# Altium PCB MiniPC.PcbDoc (part 21 of 22) (continued)
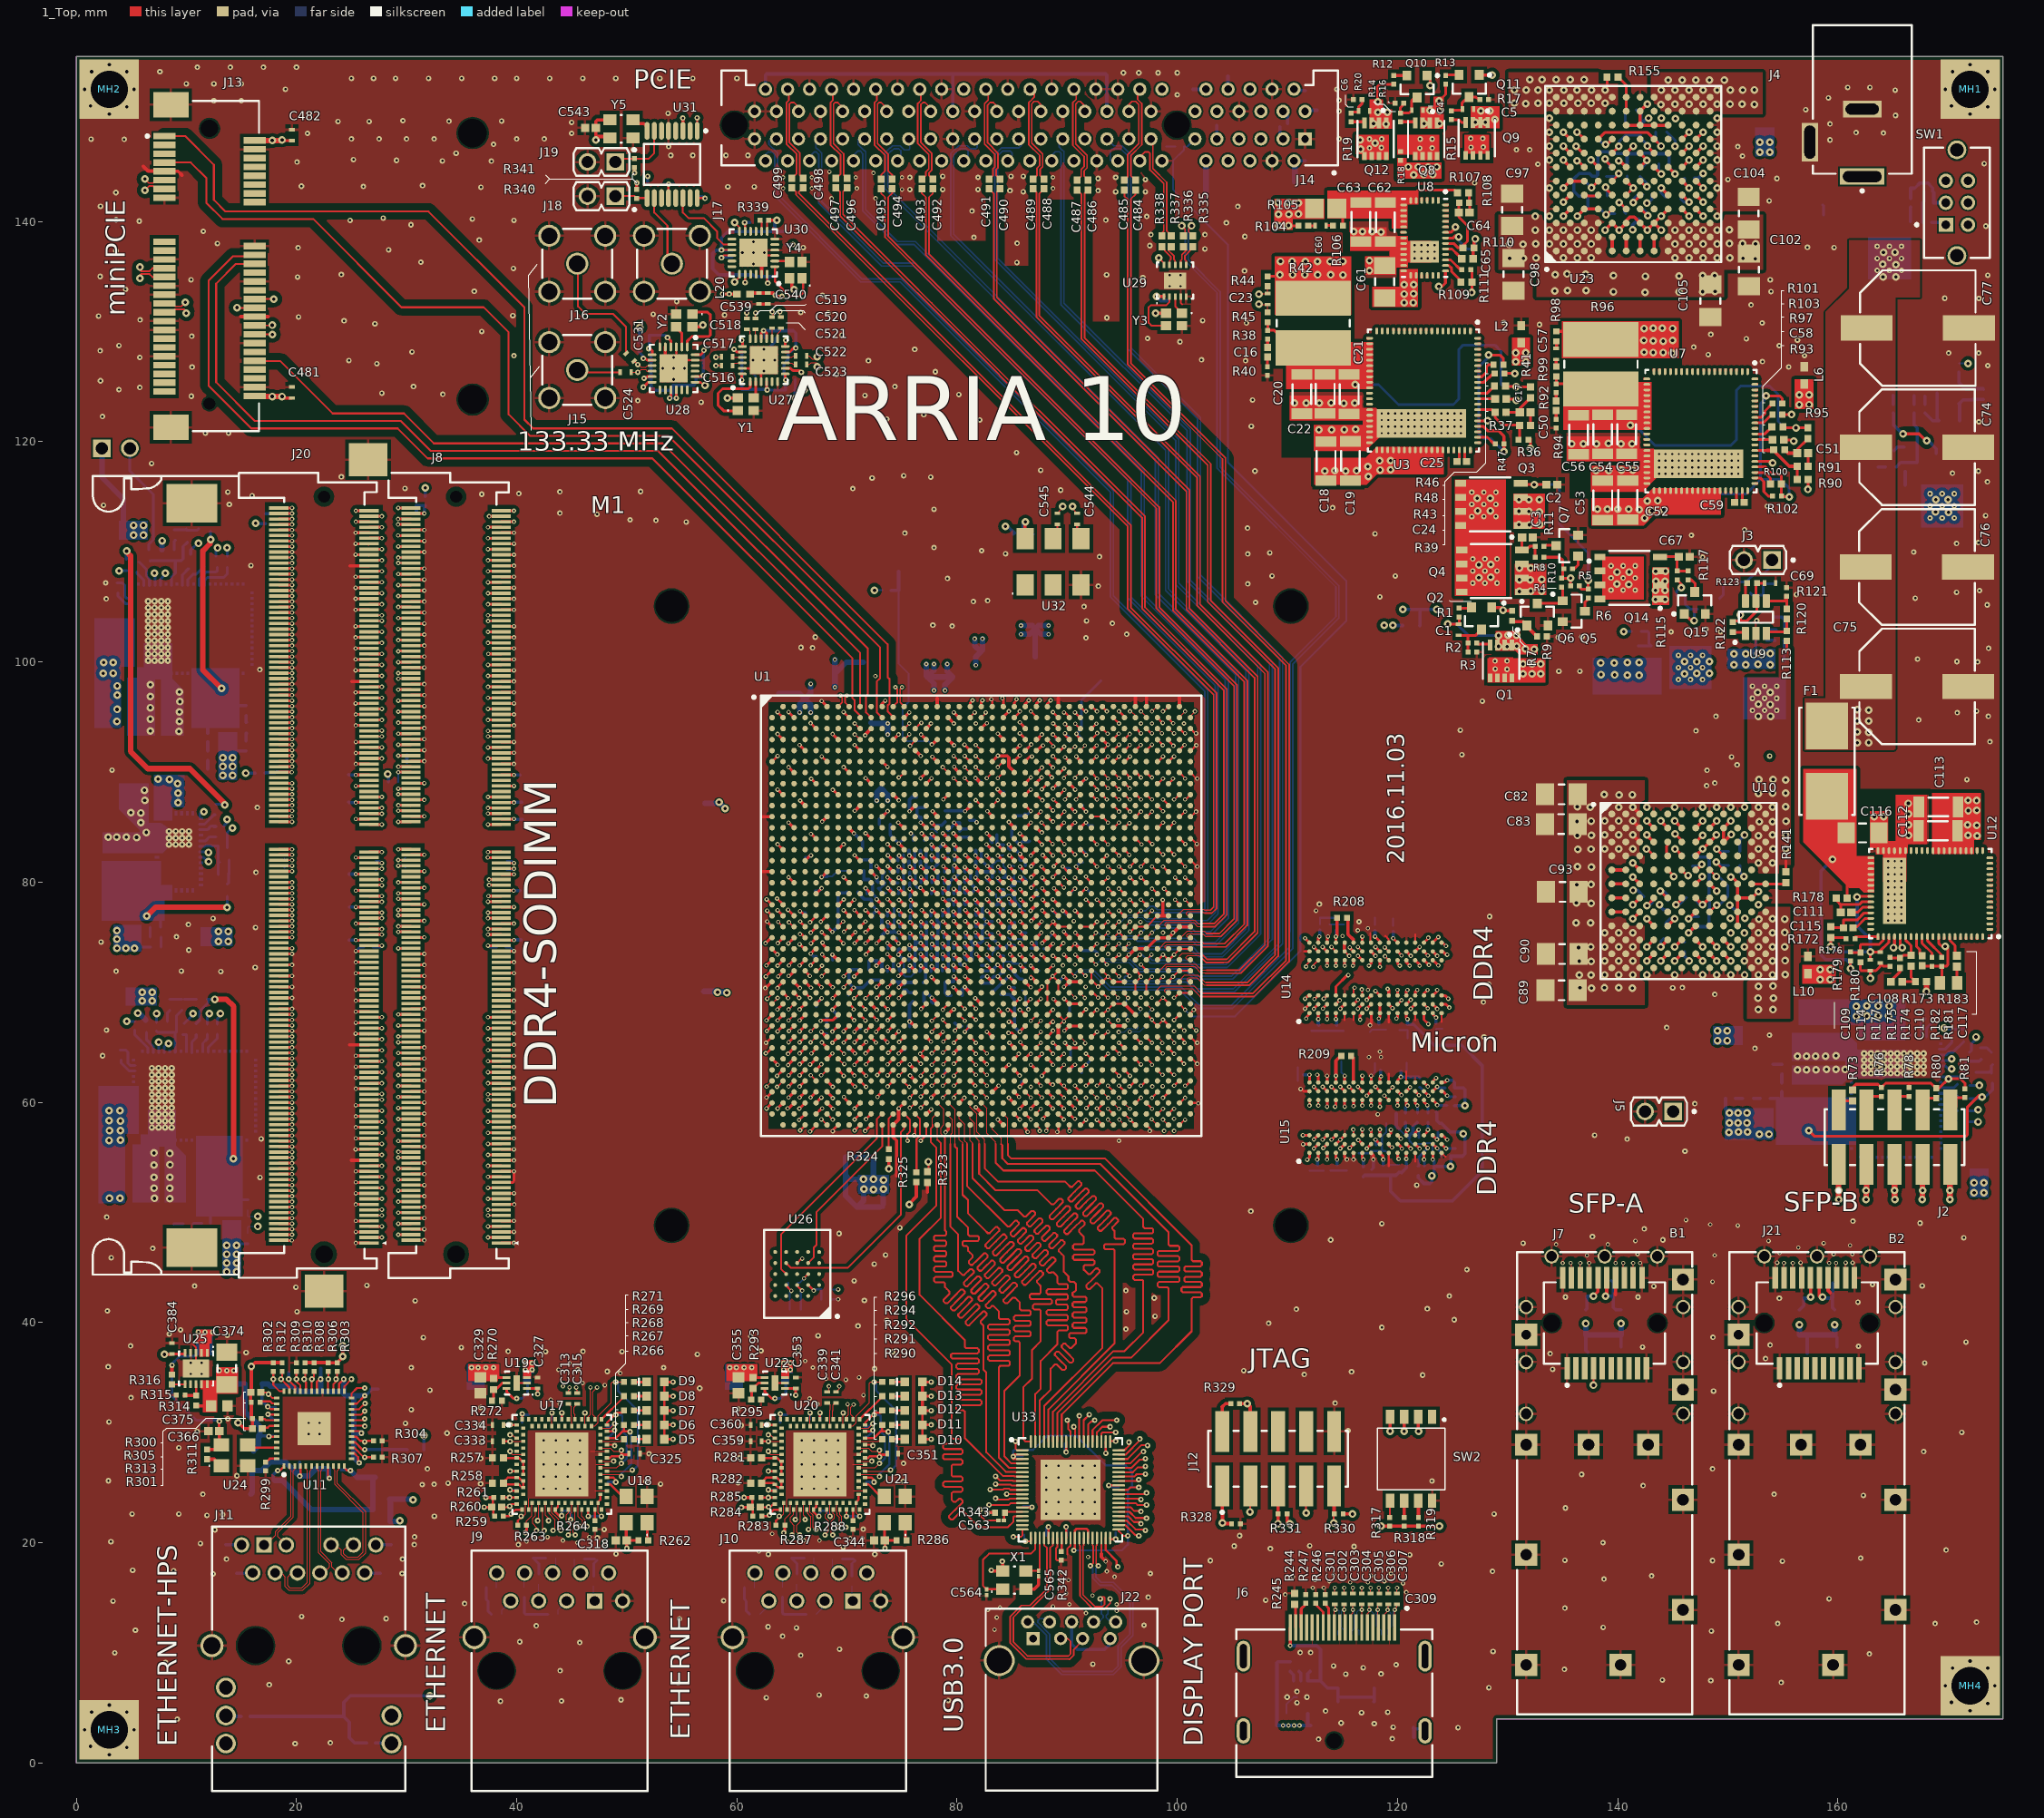
[diagram p0: 1_Top view]
## Polygon pours and split planes (outlines as drawn) (continued)
GND on 1_Top "1_Top-GND" (solid, remove dead copper, pour order 151): 0,0 129,0 129,4 175,4 175,155 0,155
MAIN_12V on 1_Top "1_Top_MAIN_12V" (solid, pour order 21): 158.87,92 165.2,92 165.2,94.7 165.2,132.5 165.2,132.9 165.2,133.1 167,133.1 167.45,133.1 167.45,135.65 167.45,138.3 167,138.3 161,138.3 161,133.9 158.87,131.77 158.87,96.67 156.98,96.67 156.98,92
3V3 on 1_Top "top_3V3" (solid, pour order 28): 129.15,139.09 129.15,140.6 139.76,140.6 149.651,140.6 150.15,140.6 151.9,140.6 153.17,140.6 153.17,135.6 152.15,135.6 149.651,135.6 149.651,134.35 149.651,133.16 147.06,133.16 136.15,133.16 132.62,133.16 132.62,135.6 129.15,135.6 129.15,137.99
A10_0V9 on 1_Top "top_A10_0V9" (solid, pour order 27): 142.45,89.25 142.45,78.97 142.45,68.82 135.4,68.82 135.4,89.25
A10_12V on 1_Top "1_Top_A10_12V" (solid, pour order 141): 151.729,67.62 155.66,67.62 155.66,77.722 151.729,77.722
A10_12V on 1_Top "1_Top_A10_12V" (solid, pour order 139): 151.79,80.77 154.64,80.77 154.64,81.55 154.84,81.55 155.72,81.55 155.72,98.6 155.72,101.2 154.64,101.2 154.64,98.6 151.79,98.6
MAIN_12V on 1_Top "1_Top_Main_12V" (solid, remove dead copper, pour order 137): 143,153.53 143,149.75 153.13,149.75 153.13,153.53
MAIN_12V on 1_Top "1_Top_Main_12V" (solid, remove dead copper, pour order 135): 130.08,149.75 140,149.75 140,152.5 138.25,152.5 138.25,153.55 130.08,153.55
no net on 1_Top "1_Top-No Net" (solid, pour order 133): 133.316,152.384
GND on 3_int2_(power) "3_int2_(power)_GND" (solid, remove dead copper, pour order 162): 0,0 129,0 129,4 175,4 175,155 0,155
IO_2V5 on 3_int2_(power) "3_IO_2V5" (solid, pour order 121): 8.85,14 8.85,40.8 14.1,40.8 14.1,80.4 14.1,118.9 14.1,128.7 41.3,128.7 41.3,150.65 56.8,150.65 124.93,150.65 124.93,123.6 111.78,123.6 111.78,114.7 119.7,114.7 120.3,114.7 133.42,114.7 133.42,96.45 126.15,96.45 126.15,53.9 109.6,53.9 109.6,118.5 109.6,127.12 116.88,127.15 116.88,132.25 116.88,138.2 109.6,138.2 87.2,138.2 87.2,106.8 47.8,106.8 47.8,43.6 57.9,43.6 57.9,34.3 62.2,34.3 72.7,34.3 72.7,32.4 87.183,32.4 87.183,14 78.7,14 72.4,14
MAIN_12V on 3_int2_(power) "3_main_12V" (solid, remove dead copper, pour order 35): 148.651,96.9 148.651,69.1 145.8,69.1 145.8,61.5 143.76,61.5 143.76,55.99 159.37,55.99 159.37,71.6 163.45,71.6 163.45,107.7 154,107.7 151.5,107.7 145.35,107.7 145.35,102.96 144.09,102.96 136.85,102.96 136.85,108.47 134.53,108.47 134.53,96.9
A10_1V0 on 3_int2_(power) "3_A10_1V0" (solid, pour order 51): 89.4,136.94 89.4,137.7 116.32,137.7 116.32,127.99 108.4,127.99 108.4,61.3 89.4,61.3
A10_MAIN_3V3 on 3_int2_(power) "3_A10_MAIN_3V3" (solid, pour order 43): 139.6,122.9 113.05,122.9 113.05,115.58 133.96,115.58 133.96,109.65 137.6,109.65 137.6,105.05 144.84,105.05 144.84,110.6 164.55,110.6 164.55,70.85 160.18,70.85 160.18,65.57 169.83,65.57 169.83,57.45 174.32,57.45 174.32,65.57 174.32,122.9 144.2,122.9
A10_0V9 on 3_int2_(power) "3_A10_0V9" (solid, pour order 45): 127.9,95.5 146.5,95.5 146.5,71 144.17,71 144.17,63.12 140.29,63.12 140.29,52.9 144.17,52.9 144.17,30.7 96.6,30.7 89.5,37.8 63.5,37.8 63.5,103.678 67.2,103.678 89,103.678 89,59.5 108.3,59.5 108.3,52.9 126.9,52.9 126.9,59.5 126.9,95.5
MAIN_12V on 3_int2_(power) "3_main_12V" (solid, pour order 31): 155.3,133.2 168.1,133.2 168.1,154.5 129.77,154.5 129.77,146.3 150,146.3 150,133.2
GND on 7_int6_(sign) "7_int6_GND" (solid, remove dead copper, pour order 157): 0,0 129,0 129,4 175,4 175,155 0,155
GND_DP on 7_int6_(sign) "7_GND_DP" (solid, pour order 99): 105.175,11.55 123.55,11.55 123.575,11.575 123.6,11.55 123.6,1.1 105.175,1.1
2V5 on 7_int6_(sign) "7_2V5" (solid, pour order 39): 124.8,126.123 103.94,126.123 103.94,142.23 118.12,142.23 118.12,131.09 131.2,131.09 131.2,104.1 133,104.1 133,100.7 124.8,100.7
3V3 on 7_int6_(sign) "7_3V3" (solid, pour order 37): 137.04,132 137.04,104.68 150.2,104.68 150.2,101.9 158.067,101.9 158.067,69.8 158.067,64.297 158.067,50.447 169.963,50.447 169.963,68 169.963,88.2 169.963,111.1 160.9,111.1 160.9,139.97 150.4,139.97 150.4,147.8 140.1,147.8 132.9,147.8 132.9,151.95 116.977,151.95 116.977,144.07 99.4,144.07 99.4,144.4 58.3,144.4 58.3,152.8 16.8,152.8 16.8,123.1 22.8,123.1 22.8,149.8 38.312,149.8 52.8,149.8 52.8,141.2 67.313,141.2 67.313,133.887 78.3,133.887 103.09,133.887 103.09,142.879 119.31,142.879 119.31,132
PCIE_12V on 7_int6_(sign) "7_PCIE_12V" (solid, pour order 33): 167.7,112.6 171.1,112.6 171.1,116 167.7,116 167.7,154.5 155.8,154.5 108.8,154.5 108.8,144.7 115.7,144.7 115.7,152.7 118.5,152.7 151.325,152.7 151.325,141.29 162.44,141.29 162.44,112.6 162.9,112.6
GND on 12_int11_(sign) "12_int11_GND" (solid, remove dead copper, pour order 160): 0,0 129,0 129,4 175,4 175,155 0,155
IO_3V3 on 12_int11_(sign) "12_IO_3V3" (solid, pour order 49): 97.3,137.2 97.3,131.9 131.5,131.9 131.5,130.3 145.4,130.3 169.2,130.3 169.2,72.7 169.2,25.8 160.7,25.8 160.7,41.2 135.9,41.2 135.9,12.1 122.7,12.1 107.9,12.1 107.9,7.9 102,7.9 102,22.3 99.3,22.3 85.755,22.3 85.755,19 99.3,19 99.3,7.9 99.3,4.6 53.3,4.6 34.1,4.6 34.1,6.198 34.1,24.6 28.5,24.6 28.5,20.6 31.6,20.6 31.6,1.3 32,1.3 71.3,1.3 103.455,1.3 103.455,4.6 107.9,4.6 107.9,3.1 117.7,3.1 117.7,4.6 143.9,4.6 143.9,15.8 173.6,15.8 173.6,133.5 173.6,135.5 169.2,135.5 131.5,135.5 131.5,148.1 125,148.1 125,137.2 122.7,137.2
FMCBVADJ on 12_int11_(sign) "12_FMCBVADJ" (solid, pour order 91): 157.4,118.6 157.4,56.29 132.1,56.29 132.1,100.6 103.3,100.6 95.2,100.6 95.2,111.2 73.7,132.7 68.035,132.7 49.9,132.7 49.9,121.3 63.2,108 77.2,108 77.25,91.35 77.25,63.8 68.035,63.8 68.035,83.365 57.8,93.6 41.4,93.6 41.4,117.9 32.7,117.9 32.7,140.363 32.7,143.881 52.367,143.881 77.919,143.881 96.2,143.881 96.2,126.684 104.284,118.6 116.807,118.6
ENETA_DVDD on 12_int11_(sign) "12_ENETA_DVDD" (solid, pour order 55): 38.9,32.3 38.9,36.3 35.4,36.3 35.4,22.1 38.9,22.1 50.2,22.1 50.2,32.3
ENETB_DVDD on 12_int11_(sign) "12_ENETB_DVDD" (solid, pour order 57): 62,32.1 62,36.5 58.7,36.5 58.7,27.1 58.7,21.9 62.1,21.9 73.3,21.9 73.3,32.1
1.8V_DVDDH on 12_int11_(sign) "12_1.8_DVDDH" (solid, pour order 53): 17,32.7 17,31.2 17,27.3 26.8,27.3 26.8,35.5 21.5,35.5 17,35.5
GND on 10_int9_(sign) "10_int9_GND" (solid, remove dead copper, pour order 159): 0,0 129,0 129,4 175,4 175,155 0,155
A10_MAIN_1V8 on 10_int9_(sign) "10_A10_MAIN_1V8" (solid, pour order 89): 143.74,98.17 136.07,98.17 136.07,104.1 125.8,104.1 125.8,104.2 125.8,116.1 143.74,116.1
AGND8 on 10_int9_(sign) "10_AGND8" (solid, pour order 73): 158.5,53.5 158.5,50.41 173.87,50.41 173.87,67.2 168.72,67.2 168.72,53.5
AGND2 on 10_int9_(sign) "10_AGND2" (solid, pour order 67): 127.62,133.25 127.62,139.04 124.46,139.04 124.46,135.3 122.98,135.3 122.968,133.25
GND_SIGNAL1 on 10_int9_(sign) "10_GND_SIGNAL1" (solid, pour order 69): 141.1,82.66 150.9,82.66 150.9,64.84 141.1,64.84 141.1,76.5
AGND5 on 10_int9_(sign) "10_AGND5" (solid, pour order 79): 4.8,112.8 7.5,112.8 7.5,111.7 14,111.7 14,109.325 13.975,109.3 14,109.275 14,107.4 4.8,107.4
1V8_PLL on 10_int9_(sign) "10_1V8_PLL" (solid, pour order 93): 58.1,140.4 58.1,140.3 58.1,132.6 66.8,132.6 66.8,140.4
AGND4 on 10_int9_(sign) "10_AGND4" (solid, pour order 77): 12.2,74.2 14.4,74.2 14.4,83.9 15.1,83.9 15.1,86.1 11.5,86.1 11.5,74.2
AGND7 on 10_int9_(sign) "10_AGND7" (solid, pour order 75): 5.4,70.5 5.4,64.7 13.8,64.7 13.8,70.5
AGND1 on 10_int9_(sign) "10_AGND1" (solid, pour order 71): 157.89,70.38 170.6,70.38 170.6,71.6 170.6,75.5 160.24,75.5 160.24,73.7 157.89,73.7
AGND6 on 10_int9_(sign) "10_AGND6" (solid, pour order 65): 129.68,128.81 129.68,123.61 127.63,123.61 127.63,120.71 131.03,120.71 131.03,118.81 133.3,118.81 133.3,128.81
AGND3 on 10_int9_(sign) "10_AGND3" (solid, pour order 63): 153.62,124.95 158.13,124.95 158.13,114.91 153.62,114.91
GND_SIGNAL2 on 10_int9_(sign) "10_GND_SIGNAL2" (solid, pour order 61): 139.5,147.7 139.5,149.7 146.8,149.7 146.8,147.7 154.2,147.7 154.2,138.6 139.5,138.6
GND on 5_int4_(sign) "5_int4_GND" (solid, remove dead copper, pour order 155): 0,0 129,0 129,4 175,4 175,155 0,155
IO_5V on 5_int4_(sign) "5_int4_IO_5V" (solid, remove dead copper, pour order 149): 167.05,88.06 174.33,88.06 174.33,17.96 174.33,10.33 167.69,10.33 167.69,6.835 156.3,6.835 126.99,6.835 126.99,0.48 7.806,0.48 7.806,6.835 3.08,6.835 3.08,19.05 3.08,38.47 10.8,38.47 10.8,12.8 32.573,12.8 32.573,35.658 42.97,35.658 42.97,22.18 39.25,22.18 39.262,12.8 53.564,12.8 53.564,36.39 66.25,36.39 66.25,32.77 64.025,32.77 64.025,4.143 100.163,4.143 113.98,17.96 126.99,17.96 167.05,17.96
A10_MAIN_3V3 on 5_int4_(sign) "5_A10_MAIN_3V3" (solid, pour order 81): 1.5,123.6 1.5,55.63 14.7,55.63 14.7,122.751 71.6,122.751 71.6,115.8 120.26,115.8 120.26,144.2 1.5,144.2
GND on 14_int13_(power) "14_int13_GND" (solid, remove dead copper, pour order 161): 0,0 129,0 129,4 175,4 175,155 0,155
IO_1V8 on 14_int13_(power) "14_IO_1V8" (solid, pour order 83): 134.6,117.7 134.6,110.7 123.9,110.7 123.9,75.6 101.7,75.6 101.7,43.287 101.7,38.8 101.7,37.5 123.9,37.5 125.371,37.539 125.401,15.799 121.599,15.799 46,15.799 6.7,15.799 6.7,20.581 6.7,39.1 56.7,39.1 62.697,39.1 62.697,55.1 62.697,74.7 70.364,74.7 86.7,74.7 86.7,78.71 84.2,78.71 65.2,78.71 65.2,82.9 67.6,82.9 67.6,82 80.4,82 80.5,82 80.5,92.503 80.5,103.15 75.85,103.15 49.1,103.15 49.1,110.7 49.1,117.7 49.1,142.6 76.8,142.6 76.8,128.4 134.6,128.4
0V95 on 14_int13_(power) "14_0V95" (solid, pour order 87): 61.407,75.4 61.407,67.8 49.4,67.8 49.4,39.8 42.15,39.8 4.6,39.8 4.6,80 15.4,80 15.4,43.6 39.9,43.6 41.3,43.6 41.3,53.213 41.3,78.3 55.4,78.3 57.5,78.3 77.2,78.3 82.4,78.3 85.8,78.3 85.8,75.4 81.3,75.4
A10_12V on 14_int13_(power) "14_int13_A10_12V" (solid, remove dead copper, pour order 147): 151.25,98.59 160.3,98.59 160.3,66.92 151.25,66.92
1V8 on 14_int13_(power) "14_int13_1V8" (solid, pour order 143): 136.17,131.68 158.7,131.68 158.7,99.3 149.09,99.3 149.09,97.62 136.17,97.62
no net on 14_int13_(power) "14_int13_(power)-No Net" (solid, pour order 145): 149.18,126.02
HPS_0V95 on 14_int13_(power) "14_HPS_0V95" (solid, pour order 85): 9.4,93.7 9.4,88.8 16.2,88.8 16.2,116.55 27.95,116.55 40.6,116.55 40.6,83.2 67.9,83.2 67.9,82.3 70.5,82.3 80,82.3 80,89.6 60,89.6 46.5,89.6 46.5,120.95 24.95,120.95 9.4,120.95 9.4,120.2
GND on 6_int5_(power) "6_GND" (solid, pour order 111): 0,0 129,0 129,4 175,4 175,155 0,155
PLL_1V8 on 6_int5_(power) "6_PLL_1V8" (solid, pour order 97): 133.825,108.95 133.825,105.15 133.825,51.225 87.375,51.225 83.9,54.7 83.9,66.337 75.4,66.337 75.4,75.1 75.4,85.5 75.4,86.4 84.5,86.4 84.5,91.6 82.186,93.914 81.9,94.2 80.1,94.2 80.15,94.8 80.15,105.15 80.15,108.95
GND on 8_int7_(power) "8_int7_GND" (solid, remove dead copper, pour order 158): 0,0 129,0 129,4 175,4 175,155 0,155
VDD_DDR on 8_int7_(power) "8_VDD_DDR" (solid, pour order 95): 7.675,122.65 7.675,31.325 35.125,31.325 35.125,27.25 68.6,27.25 78.3,27.25 78.3,2.175 79.975,2.175 103.975,2.175 104.625,2.175 104.625,13.175 125.7,13.175 125.7,14.8 148.8,14.8 155.875,14.8 155.875,68.575 155.875,99.675 122.9,99.675 122.175,100.4 115.225,107.35 115.225,132.85 70.55,132.85 70.55,122.65 46.55,122.65 35.825,122.65 31.65,122.65 14.1,122.65 10.7,122.65
GND on 15_int14_(gnd) "15_GND" (solid, remove dead copper, pour order 106): 0,0 129,0 129,4 175,4 175,155 0,155
GND on 2_int1_(gnd) "2_GND" (solid, remove dead copper, pour order 107): 0,0 129,0 129,4 175,4 175,155 0,155
GND on 4_int3_(gnd) "4_GND" (solid, remove dead copper, pour order 109): 0,0 129,0 129,4 175,4 175,155 0,155
GND on 9_int8_(gnd) "9_GND" (solid, remove dead copper, pour order 114): 0,0 129,0 129,4 175,4 175,155 0,155
GND on 11_int10_(gnd) "11_GND" (solid, remove dead copper, pour order 116): 0,0 129,0 129,4 175,4 175,155 0,155
GND on 13_int12_(gnd) "13_GND" (solid, remove dead copper, pour order 118): 0,0 129,0 129,4 175,4 175,155 0,155

## Keep-outs
Keep-Out Layer:
  the board outline again, w0.1

## Other copper
1_Top:
  pour cut-out: 27.26,28.81 27.67,28.81 27.67,28.08 27.26,28.08
  pour cut-out: 145.56,127.59
  pour cut-out: 145.826,127.59 145.83,126.78 145.56,126.78 145.56,127.59
  pour cut-out: 115.75,131.3 116.07,131.3 116.07,130.21 115.75,130.21
  pour cut-out: 168.4,88.452 168.4,87.91 165.25,87.91 165.25,83.71 164.54,83.71 164.54,86.43 162.9,86.43 162.9,82.48 161.72,82.48 161.72,88.487
  pour cut-out: 134.93,121.065 135.37,121.065 135.37,118.22 142.02,118.22 142.02,117.81 137.56,117.81 137.56,115.45 142.24,115.45 142.24,114.85 135.65,114.85 135.65,117.142 134.91,117.152
  pour cut-out: 109.505,124.785 110.21,124.785 110.21,121.94 116.86,121.94 116.86,121.53 112.4,121.53 112.4,119.15 117.06,119.15 117.06,118.55 109.49,118.55 109.49,121.83
  pour cut-out: 115.03,139.03 115.68,139.03 115.68,137.35 119.27,137.35 119.27,136.82 117.08,136.82 117.08,134.89 119.79,134.89 119.79,134.27 115.8,134.27 115.8,136.82 115.02,136.82 115.02,137.12
  region net PCIE_AUX3V3: 119.19,147.87 116.22,147.87 116.22,146.13 116.79,146.13 116.79,145.61 119.19,145.59
  region net GND: 168.06,87.91 168.06,83.48 166.33,83.48 166.33,82.64 166.21,82.52 166.21,80.05 164.11,80.06 164.11,82.51 163.45,82.51 163.45,83.092 162.92,83.092 162.92,86.43 164.53,86.43 164.53,83.71 165.25,83.71 165.25,87.91
  region net A10_1V0: 115.78,136.83 108.86,136.83 108.86,131.56 115.78,131.56
  region net GND: 117.07,135.15 117.07,136.82 119.27,136.82 119.27,137.35 115.68,137.35 115.68,138.68 115.68,139.43 118.98,139.43 118.98,138.68 120.92,138.68 120.92,138.21 123.02,138.21 123.02,136.28 120.92,136.28 120.92,135.82 119.85,135.82 119.85,135.15
  region net NetC20_2: 117.76,129.01 117.76,124.785 114.59,124.785 109.89,124.785 109.89,129.01
  region net A10_MAIN_3V3: 124.19,117.055 124.19,119.53 118.075,119.53 117.08,118.535 112.45,118.535 112.45,116.095 117.18,116.095 118.14,117.055
  region net GND: 112.4,119.175 112.4,121.495 116.86,121.495 116.86,121.945 110.22,121.945 110.22,124.155 116.76,124.155 116.76,123.035 118.06,123.035 118.161,122.934 121.94,122.835 121.85,120.405 118.42,120.476 117.12,119.175
  region net 1V8: 145.52,130.91 145.52,127.59 134.92,127.59 134.92,130.91
  region net GND: 137.58,115.48 137.58,117.8 142.04,117.8 142.04,118.25 135.4,118.25 135.4,120.46 141.94,120.46 141.94,119.34 143.24,119.34 143.341,119.239 147.12,119.14 147.03,116.71 143.601,116.781 142.3,115.48
  pour cut-out: 62.9,96.3 62.9,57.61 101.5,57.61 101.5,96.3
  pour cut-out: 94.9,43.8 95.5,43.8 95.5,43.6 94.9,43.6
  pour cut-out: 80.9,23.4 82.3,23.4 82.3,23.3 80.9,23.3
  pour cut-out: 84.8,29.8 85.4,29.8 85.4,29.6 84.8,29.6
  pour cut-out: 92.3,130.9 94.8,130.9 94.8,130.7 92.3,130.7
  pour cut-out: 88.201,141.994 90.569,141.994 90.6,141.963 90.6,141.8 88.2,141.8
  pour cut-out: 84.3,136 86.5,136 86.5,135.8 84.3,135.8
  pour cut-out: 78.1,138.2 82.7,138.2 82.7,138 78.1,138
  region net AGND1: 159.78,72.46 159.78,70.76 156.78,70.76 156.78,72.46
  region net AGND6: 130.4,129.44 130.4,127.14 130.4,126.94 132,126.94 132,129.44
  region net AGND3: 156.07,125.66 157.77,125.66 157.77,122.96 156.07,122.96
  region net IO_2V5: 128.2,100.3 133.4,100.3 133.4,98.15 128.2,98.15
  region net 1.2V_AVDLL_PLL: 11.297,34.725 11.297,33.925 11.497,33.925 11.497,31.825 12.797,31.825 12.797,33.525 14.697,33.525 14.697,34.725 14.697,35.925 12.697,35.925 12.697,34.725
  region net IO_2V5: 11.197,36.925 11.197,38.125 10.897,38.125 10.897,39.325 11.197,39.325 12.097,39.325 12.597,39.325 12.597,38.825 12.297,38.825 12.297,38.125 12.097,38.125 12.097,36.925
  region net 1V8_OUT: 143.07,125.39 143.07,121.09 139.77,121.09 135.07,121.09 135.07,125.39
  region net 3V3: 149.37,113.36 149.37,115.75 143.17,115.75 142.26,114.84 137.63,114.84 137.63,112.4 142.36,112.4 143.32,113.36
  region net PCIE_DC_3V3: 123.97,143.88 123.97,145.35 120.81,145.35 120.81,145.75 119.97,145.75 119.97,143.88
  region net PCIE_3V3: 123.79,147.84 119.97,147.84 119.97,146.1 121.39,146.1 121.39,145.58 123.79,145.56
  region net 3V3: 119.47,148.45 119.47,150.15 118.67,150.15 118.67,151.05 117.47,151.05 117.47,148.45
  region net 3V3: 124.17,148.43 122.07,148.43 122.07,150.4 123.27,150.4 123.27,151.3 124.17,151.3
  region net 3V3: 129.24,148.47 126.65,148.47 126.65,150.45 129.24,150.45
  region net A10_MAIN_1V8: 129.85,106 125.22,106 125.22,116.55 129.85,116.55
  region net IO_1V8: 133.37,112.08 130.55,112.08 130.55,115.25 133.37,115.25
  region net PLL_1V8: 133.48,106.07 130.66,106.07 130.66,108.9 133.48,108.9
  region net 2V5: 130.71,101 128.91,101 128.91,102.8 131.09,102.8 131.09,102.21 131.7,101.6 132.71,101.6 132.71,100.7 131.01,100.7
  region net 3V3: 117.73,132.25 117.73,134.05 120.2,134.05 120.2,135.64 121.85,135.64 121.85,132.25
  region net 2V5OUT: 113.65,140.28 113.65,142.8 121.88,142.8 121.88,141.57 120.87,141.57 120.87,139.36 119.47,139.36 119.47,140.28
  region net 2V5: 113.37,142.05 108.83,142.05 108.83,139.26 110.47,139.26 110.47,140.25 113.37,140.25
  region net A10_MAIN_3V3: 143.145,105.17 143.145,108.55 144.645,108.55 144.645,105.17
  region net NetC116_2: 161.68,90.25 156.85,90.25 156.85,83.635 161.034,79.45 161.234,79.45 161.934,79.45 162.334,79.05 163.3,79.05 163.3,82.36 161.68,82.36
  region net IO_5V: 172.98,88.09 172.98,83.85 172.334,83.85 172.334,82.55 168.534,82.55 168.534,83.95 168.534,88.09
  region net ENETB_DVDD: 59.05,36.2 59.05,34.7 61.75,34.7 61.75,34.9 62.85,34.9 62.85,35.1 61.85,35.1 61.85,36.2
  region net IO_2V5: 64.05,34.9 64.05,36.6 65.05,36.6 65.05,35.5 64.75,35.5 64.75,34.9
  region net IO_2V5: 40.6,34.9 40.6,36.6 41.6,36.6 41.6,35.5 41.3,35.5 41.3,34.9
  region net ENETA_DVDD: 35.6,36.2 35.6,34.7 38.3,34.7 38.3,34.9 39.4,34.9 39.4,35.1 38.4,35.1 38.4,36.2
  pour cut-out: 67.1,144.9 68.1,144.9 68.2,144.8 68.114,144.714 67.054,144.714
  pour cut-out: 71.1,144.9 71.96,144.9 72.146,144.714 71.054,144.714
  pour cut-out: 74.5,141.9 76.8,141.9 76.8,141.6 74.5,141.6
  pour cut-out: 115.445,150.655 115.55,150.655 115.55,150.31 115.445,150.31
  pour cut-out: 119.3,145.27 119.805,145.27 119.805,145.485 119.305,145.485 119.3,145.48
  pour cut-out: 38.15,31.15 38.55,31.15 38.55,28.3 38.15,28.3
  pour cut-out: 38.425,27.175 38.425,25.925 38.648,25.925 38.648,27.173 38.65,27.175
  pour cut-out: 50.65,22.7 51.15,22.7 51.15,22.575 50.65,22.575
  pour cut-out: 69.46,33.06 69.74,33.06 69.75,33.05 69.75,32.95 69.4,32.95 69.46,33.01
  pour cut-out: 74.175,29.025 74.4,29.025 74.4,26.825 74.375,26.8 74.2,26.8
  pour cut-out: 74.05,22.7 74.625,22.7 74.625,22.475 74.05,22.475
  pour cut-out: 65.35,34.7 65.775,34.7 65.775,34.3 65.75,34.275 65.35,34.275
  pour cut-out: 84.925,16.25 85.5,16.25 85.525,16.225 85.525,16.15 84.925,16.15
5_int4_(sign):
  region net PCIE_DC_3V3: 120.3,145.5 120.3,143.67 124.1,143.67 124.1,145.5
  region net PCIE_AUX3V3: 115.8,147.8 115.8,146 119.1,146 119.1,147.8
  pour cut-out: 22.675,154.8 22.675,154.225 22.875,154.225 22.875,154.8
  pour cut-out: -212.6,-167.2
  pour cut-out: 55,102.75 105,102.75 105,50.75 103.25,50.75 55,50.75
7_int6_(sign):
  pour cut-out: 124.975,100.6 124.975,99.425 125.275,99.425 125.275,100.6
  pour cut-out: 148.295,96.125 148.97,96.125 148.97,95.97 148.99,95.95 148.965,95.925 148.295,95.925
  pour cut-out: 16.8,121.8 13.9,118.9 13.9,115.5 13.9,32.1 22.7,32.1 22.7,33 32.5,33 90.6,33 90.6,24.6 103.2,24.6 103.2,33 120.5,33 120.5,51.3 129.7,51.3 129.7,97.5 120.5,97.5 120.5,125.94 104.24,125.94 100.1,121.8 73.3,121.8
10_int9_(sign):
  pour cut-out: 18.5,116 18.5,44.5 72.1,44.5 76.4,40.2 87.4,29.2 87.4,17.8 92,17.8 103.1,17.8 103.1,44.5 113,44.5 113,14.7 122.9,14.7 128.35,20.15 131.85,23.65 131.85,45.85 135.85,49.85 135.85,97.71 135.85,102.11 124.5,102.11 124.5,116 85.7,116 69.2,132.5 62.6,132.5 54.9,132.5 54.9,122.8 18.5,122.8
12_int11_(sign):
  pour cut-out: 18.462,117.55 18.462,40.55 41.862,40.55 41.862,32.45 53.262,32.45 58.162,37.35 63.562,37.35 63.562,32.45 64.162,32.45 70.862,32.45 94.162,32.45 114.362,32.45 122.462,40.55 125.862,43.95 162.262,43.95 162.262,53.05 162.262,54.35 131.75,54.35 131.75,100.275 94.875,100.275 94.875,111.075 73.504,132.446 50.112,132.446 50.112,121.45 63.163,108.4 77.487,108.4 77.487,63.525 67.7,63.525 67.7,68.75 69.162,68.75 69.162,72.231 67.7,73.959 67.7,83.3 57.675,93.325 41.094,93.325 41.094,117.55
3_int2_(power):
  pour cut-out: 111.94,123.598 112.99,123.676 112.99,119.9 111.97,119.9 111.94,119.93
  pour cut-out: 146.7,96.71 146.7,95.56 146.35,95.56 146.33,95.58 146.33,96.7
  pour cut-out: 146.84,96.79
  pour cut-out: 108.53,111.21 109.44,111.21 109.45,111.2 109.45,106.366 108.49,106.356 108.54,110.91
  pour cut-out: 102.51,61.13 102.51,59.59 102.86,59.59 102.85,59.6 102.85,61.13
  pour cut-out: 97.3,58.8 97.3,57.5 99.6,57.5 99.6,58.8
  pour cut-out: 91.7,61.407 91.7,59.1 96,59.1 96,60.7 93.9,60.7 93.9,61.407
  pour cut-out: 93.3,59.1 93.3,57.5 95.6,57.5 95.6,59.1
  pour cut-out: 159.425,45.75 161.075,45.75 161.075,42.75 159.425,42.75
  pour cut-out: 154.7,45.75 156.35,45.75 156.35,42.825 154.7,42.825
  pour cut-out: 140.125,45.8 141.85,45.8 141.85,42.675 140.125,42.675
  pour cut-out: 135.35,45.725 137.075,45.725 137.075,42.775 135.35,42.775
  pour cut-out: 64.5,144.375 64.5,142.6 66.5,142.6 66.5,144.375
  pour cut-out: 68.5,144.35 68.5,142.6 70.5,142.6 70.5,144.35
  pour cut-out: 72.6,144.3 72.6,142.5 74.7,142.5 74.7,144.3
  pour cut-out: 76.3,144.3 76.3,142.5 78.3,142.5 78.3,144.3
  pour cut-out: 82.4,144.35 82.4,142.5 84.4,142.5 84.4,144.35
  pour cut-out: 86.4,144.3 86.4,142.5 88.4,142.5 88.4,144.3
  pour cut-out: 90.4,144.15 90.4,142.4 92.4,142.4 92.4,144.15
  pour cut-out: 94.8,144.2 94.8,142.4 96.7,142.4 96.7,144.2
  pour cut-out: 98.1,139.15 98.1,137.1 102,137.1 102,139.15
14_int13_(power):
  pour cut-out: 149.09,97.62 151.21,97.62 151.21,97.33 151.194,97.314 149.09,97.314
  pour cut-out: 92.8,14.675 92.8,13.475 94.025,13.475 94.025,14.675
15_int14_(gnd):
  pour cut-out: 92.8,14.675 92.8,13.475 94.025,13.475 94.025,14.675
2_int1_(gnd):
  pour cut-out: 98.175,139.125 98.175,137.2 101.95,137.2 101.95,139.125
  pour cut-out: 94.825,144.15 94.825,142.4 96.625,142.4 96.625,144.15
  pour cut-out: 90.5,144.15 90.5,142.425 92.3,142.425 92.3,144.15
  pour cut-out: 86.475,144.275 86.475,142.525 88.325,142.525 88.325,144.275
  pour cut-out: 82.475,144.275 82.475,142.525 84.35,142.525 84.35,144.275
  pour cut-out: 76.325,144.275 76.325,142.5 78.275,142.5 78.275,144.275
  pour cut-out: 72.65,144.3 72.65,142.525 74.65,142.525 74.65,144.3
  pour cut-out: 68.575,144.35 68.575,142.6 70.425,142.6 70.425,144.35
  pour cut-out: 64.575,144.35 64.575,142.6 66.475,142.6 66.475,144.35
  pour cut-out: 135.35,45.725 135.35,42.775 137.075,42.775 137.075,45.725
  pour cut-out: 140.125,45.8 140.125,42.675 141.85,42.675 141.85,45.8
  pour cut-out: 154.7,45.75 154.7,42.825 156.35,42.825 156.35,45.75
  pour cut-out: 159.425,45.75 159.425,42.75 161.075,42.75 161.075,45.75
  pour cut-out: 93.3,59.1 93.3,57.5 95.6,57.5 95.6,59.1
  pour cut-out: 97.3,58.8 97.3,57.5 99.6,57.5 99.6,58.8
  pour cut-out: 91.7,61.407 91.7,59.1 96,59.1 96,60.7 93.9,60.7 93.9,61.407
16_Bottom:
  pour cut-out: 141.87,40.46 141.55,40.46 141.54,40.47 141.54,39.6 141.87,39.6
  pour cut-out: 169.7,121.3 169.7,120.5 169.55,120.5 169.55,121.3
  pour cut-out: 116.9,7.6 117.46,7.6 117.46,7.48 116.9,7.48
  pour cut-out: 12.57,48.59 13.03,48.59 13.03,48.48 12.57,48.48
  pour cut-out: 167.52,116.262 166.92,116.262 166.92,112.028 167.52,112.028
  pour cut-out: 144.7,101.602 144.1,101.602 144.1,97.368 144.7,97.368
  pour cut-out: 149.52,96.975 149.52,97.1 150.77,97.1 150.77,96.98
  pour cut-out: 156.36,67.57 156.36,66.69 155.76,66.69 155.76,63.74 160.63,63.74 160.63,63.36 155.76,63.36 155.76,60.51 155.37,60.51 155.37,67.57 155.76,67.57 155.76,69.645 156.36,69.635
  pour cut-out: 2.15,84.65 5.62,84.65 5.62,84.79 3.78,86.63 3.78,89 6.92,89 6.92,89.83 3.05,89.83 3.05,85.34 1.34,85.34 1.34,76.25 2.15,76.25
  pour cut-out: 1.73,50.75 7.57,50.75 7.57,55.94 8.02,55.94 8.02,50.83 10.82,50.83 10.82,50.15 1.73,50.15
  pour cut-out: 1.35,93.91 4.46,93.91 4.46,93.26 7.22,93.26 7.22,98.36 7.67,98.36 7.67,93.25 11.4,93.25 11.4,92.8 1.35,92.8
  region net GND: 8.71,101.68 6.17,101.68 6.17,99.48 5.529,99.48 5.519,98.561 4.64,98.561 4.64,93.309 7.16,93.309 7.16,98.41 7.71,98.41 7.71,93.309 9.745,93.309 9.745,97.425 8.71,98.46
  region net GND: 2.41,84.49 2.41,82.63 7.26,82.63 7.84,82.63 8.26,83.05 8.26,84.99 7.7,85.37 6.58,85.37 6.58,88.93 3.88,88.93 3.88,86.6 5.79,84.69 5.79,84.49
  region net GND: 9.06,59.27 6.52,59.27 6.52,57.07 5.879,57.07 5.869,56.151 5.12,56.151 5.12,50.899 7.51,50.899 7.51,56 8.06,56 8.06,50.899 9.945,50.899 9.935,55.175 9.06,56.05
  region net GND: 155.84,61.61 155.84,63.321 160.67,63.321 160.67,63.771 155.84,63.771 155.84,66.3 160.81,66.3 161.73,65.38 161.73,64.861 161.831,64.759 166.29,64.759 166.29,62.21 160.98,62.21 160.38,61.61
  pour cut-out: 135.53,40.416 135.53,39.484 135.766,39.484 135.775,39.475 135.775,40.425
  pour cut-out: 94.8,21.8 95.2,21.8 95.2,21.675 94.8,21.675
  pour cut-out: 116.875,11.1 117.5,11.1 117.525,11.125 117.525,10.775 116.875,10.775
  pour cut-out: 28.05,27.575 28.2,27.425 28.2,27.025 28.1,27.025 28.025,26.95 27.95,27.025 27.95,27.25
  pour cut-out: 27.675,30.5 27.95,30.5 27.95,29.425 27.925,29.4 27.9,29.425 27.65,29.425 27.65,30.45
  pour cut-out: 27.85,32.85 27.85,32.375 27.875,32.35 27.7,32.35 27.7,32.8 27.75,32.85
  pour cut-out: 155.831,98.7 155.845,102.275 155.645,102.275 155.62,102.3 155.62,98.7
  pour cut-out: 76.352,84.125 76.683,84.125 76.683,84.023 76.352,84.023
  pour cut-out: 103.009,78.2 103.009,68.3 101.2,68.3 99.8,69.7 92.9,69.7 91.6,71 90.2,71 90.2,71.8 90.3,71.8 90.9,72.4 92,72.4 92,74.239 91.965,74.274 92.048,74.357 92.487,74.357 92.487,75.113 92.215,75.385 92.215,76.085 92.2,76.1 94.3,76.1 94.3,77.1 94.4,77.2 96.1,77.2 96.1,78.2 102,78.2 102,97.2 103.009,97.2
  pour cut-out: 102.8,113.3 106.9,113.3 106.9,113.1 102.8,113.1
  pour cut-out: 98.5,126.8 103,126.8 103,126.6 98.5,126.6
  pour cut-out: 92.7,130.5 94.8,130.5 94.8,130.4 92.7,130.4
  pour cut-out: 85.4,135.8 88.8,135.8 88.8,135.6 85.5,135.6
  pour cut-out: 81.4,138.1 82.7,138.1 82.7,138 81.4,138
  pour cut-out: 75.531,142.277 78.694,142.277 78.694,142.126 78.668,142.1 75.491,142.1
  pour cut-out: 72.3,141.4 73.2,142.3 73.3,142.2 72.4,141.3
  pour cut-out: 64.225,142.6 64.228,142.603 66.699,142.603 66.699,142.426 66.65,142.475 64.225,142.475
  pour cut-out: 68.25,141.625 70.925,141.625 70.925,141.525 68.25,141.525 68.225,141.55
  region net FMCBVADJ: 154.13,59.435 149.73,59.435 149.73,56.62 154.13,56.62
  region net AGND5: 3.9,112.8 3.9,111.1 6.5,111.1 6.5,112.8
  region net AGND4: 11.3,75.9 11.3,74.2 14.2,74.2 14.2,75.9 11.4,75.9
  region net AGND7: 4.5,70.4 4.5,68.8 7.3,68.8 7.3,70.4
  region net AGND8: 171.96,53.98 173.66,53.98 173.66,51.38 171.96,51.38
  region net GND_SIGNAL1: 148.65,66.9 151.35,66.9 151.35,65.2 148.65,65.2
  region net GND_SIGNAL2: 152.5,148.5 154.2,148.5 154.2,145.9 152.5,145.9
  region net A10_0V9: 71,53.4 71,51.7 73.8,51.7 73.8,53.4
  region net IO_2V5: 10.897,37.025 10.897,39.325 12.597,39.325 12.597,38.825 12.397,38.825 12.397,37.025
  region net 1.2V_AVDLL_PLL: 12.697,35.925 12.697,33.625 14.697,33.625 14.697,35.925
  region net NetR82_2: 3.4,76.1 3.4,73.7 5.9,73.7 5.9,75.9 5.9,76.1 5.7,76.1
  region net 0V95: 2.31,81.9 2.31,76.5 8,76.5 8,78.4 8.7,78.4 8.7,79.7 7.7,79.7 7.7,81.9
  region net A10_MAIN_3V3: 7.06,89.71 7.06,85.6 8.7,85.6 8.7,86.8 9.83,86.8 9.83,89.71
  region net HPS_0V95OUT: 14.79,99.42 10.5,99.42 10.5,93.99 14.79,93.99
  region net A10_MAIN_3V3: 5.3,103.93 1.65,103.93 1.65,94.02 4.06,94.02 4.06,99.56 5.3,99.56
  region net HPS_0V95: 12.91,93.59 12.91,89.29 14.61,89.29 14.61,93.59
  region net VDD_DDR: 13.28,49.27 13.28,44.23 14.98,44.23 14.98,49.27
  region net NetC30_2: 15.095,56.95 10.895,56.95 10.895,49.66 15.095,49.66
  region net A10_MAIN_3V3: 5.68,61.45 2.02,61.45 2.02,50.85 4.41,50.85 4.41,57.15 5.68,57.15
  region net MAIN_12V: 154.31,99.35 154.31,101.16 152.045,101.16 149.945,101.16 149.945,99.35
  region net A10_MAIN_1V8: 143.945,97.06 143.945,100.35 137.75,100.35 137.75,97.06
  region net A10_MAIN_3V3: 166.135,69.34 166.135,65.63 161.835,65.63 161.835,67.03 156.46,67.03 156.46,69.34
  region net NetC39_2: 161.635,60.43 161.635,56.13 154.38,56.13 154.38,60.43
  region net ENETB_DVDD: 58.95,33.9 58.95,36.2 61.55,36.2 61.55,35.6 60.55,35.6 60.55,33.9
  region net IO_2V5: 64.05,36.6 64.05,34.4 64.75,34.4 64.75,35.4 65.05,35.4 65.05,36.6
  region net IO_2V5: 40.6,36.6 40.6,34.4 41.3,34.4 41.3,35.4 41.6,35.4 41.6,36.6
  region net ENETA_DVDD: 35.5,33.9 35.5,36.2 38.1,36.2 38.1,35.6 37.1,35.6 37.1,33.9
  pour cut-out: 64.2,144.6 64.9,144.6 64.9,144.3 64.2,144.3